# Allegro board ZDRK-36-DE3-A02-20190729.brd (continued)
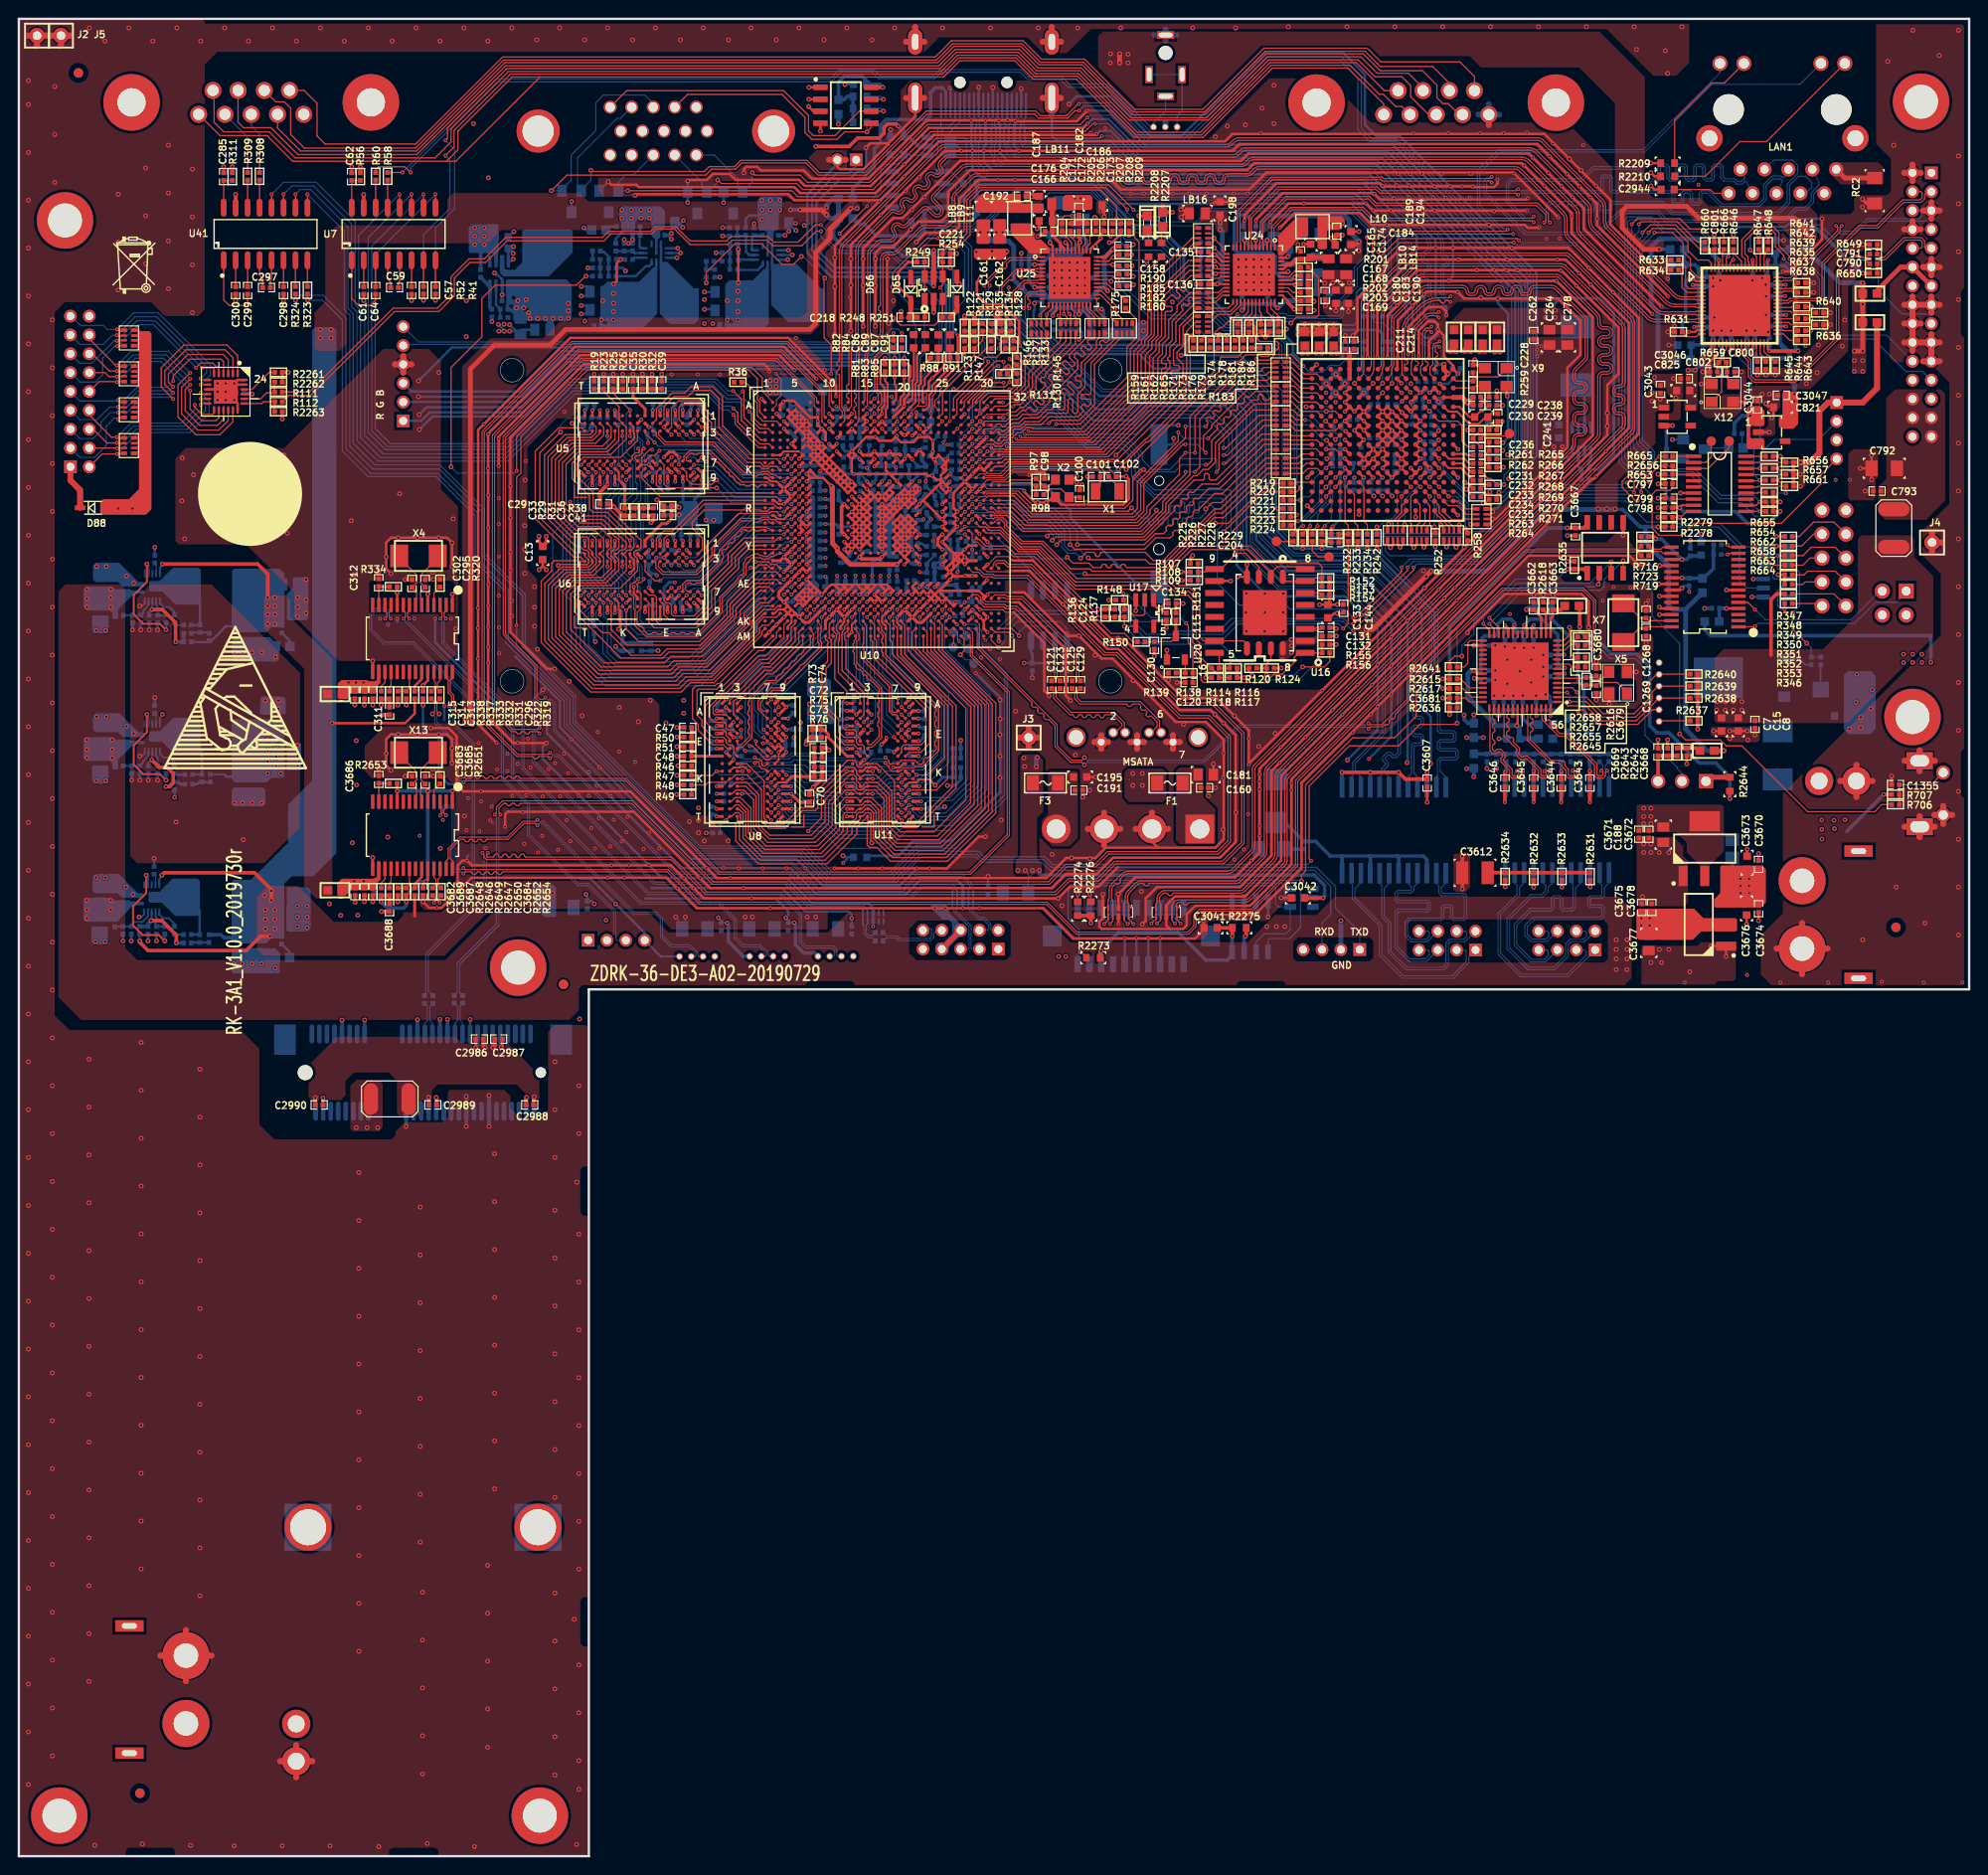
[diagram p0: board, top side]
## Nets (continued)
+2.5VA: C3665.2 C3666.2 LB139.1 R2619.2 R2620.2 R2621.2 R2622.2 R2623.2 R2624.2 R2625.2 R2626.2 R2627.2 R2628.2 R2629.2 R2630.2
+3.3V: C3670.1 C3673.1 C3674.1 C3676.1 LB70.2 LB137.2 R2644.2 U61.3(VIN) U1495.3(VIN)
AVDD33_AC0: C372.1(A) C378.1(A) LB39.2 U10.H20(AVDD33_AC0)
AVDD33_DDRPLL0: C432.1(A) C434.1(A) LB51.2 U10.R12(AVDD_DDRPLL1) U10.W12(AVDD_DDRPLL2)
AVDD33_DDRPLL1: C405.1(A) C424.1(A) LB50.2 U10.AA14(AVDD_DDRPLL3) U10.AA17(AVDD_DDRPLL4)
AVDD33_PLL: C356.1(A) LB34.2 U10.R25(AVDD33_PLL)
AVDD33_RTC: C363.1(A) LB35.2 U10.P25(AVDD33_RTC)
AVDD33_SATA01: C366.1(A) C367.1(A) LB36.2 U10.AA25(AVDD33_SATA1) U10.AB25(AVDD33_SATA0)
AVDD33_SATA23: C355.1(A) C357.1(A) LB33.2 U10.W24(AVDD33_PCIE0) U10.Y24(AVDD33_PCIE1)
AVDD33_USB2: C350.1(A) C359.1(A) LB32.2 U10.AE24(AVDD33_USB2)
AVDD33_USB3: C425.1(A) LB49.2 U10.J14(AVDD33_USB3)
AVDD33_USB32: C415.1(A) LB47.2 U10.J15(AVDD33_USB32)
AVDD33_VDAC: C385.1(A) LB44.2 U10.J18(AVDD33_VDAC)
AVDD33_VDAC_CVBS: C384.1(A) LB41.1 U10.J19(AVDD33_VDAC_CVBS)
AVDD_BAT: BT1.1 C351.1(A) U10.N27(AVDD_BAT)
AVDD_HDMITX: C395.1(A) C406.1(A) LB46.2 U10.M16(AVDD_HDMITX)
AVDD_PLL: C371.1(A) LB40.2 U10.T21(AVDD_PLL)
AVDD_PLL_HDMITX: C397.1(A) LB42.2 U10.M17(AVDD_PLL_HDMITX)
AVDD_SATA01: C370.1(A) C380.1(A) LB43.2 U10.AA21(AVDD_SATA1) U10.AB21(AVDD_SATA0)
AVDD_SATA2: C379.1(A) LB38.2 U10.Y21(AVDD_PCIE1)
AVDD_SATA3: C377.1(A) LB37.2 U10.W21(AVDD_PCIE0)
AVDD_USB3: C418.1(A) LB48.2 U10.M15(AVDD_USB3)
AVDDH_HDMITX: C398.1(A) C399.1(A) LB45.2 U10.J16(AVDDH_HDMITX)
DVDD_CORE: C65.2(B) C67.1(A) C68.1(A) C69.1(A) C387.1(A) C389.1(A) C392.1(A) C393.1(A) C394.1(A) C408.1(A) C409.1(A) C410.1(A) C411.1(A) C412.1(A) C413.1(A) C414.1(A) L5.2 LB37.1 LB38.1 LB40.1 LB42.1 LB43.1 LB46.1 LB48.1 R66.1(A) U9.2(VOUT) U10.M21(DVDD_CORE_1) U10.N19(DVDD_CORE_2) U10.N20(DVDD_CORE_3) U10.N21(DVDD_CORE_4) U10.P18(DVDD_CORE_5) U10.P19(DVDD_CORE_6) U10.P20(DVDD_CORE_19) U10.P21(DVDD_CORE_20) U10.R16(DVDD_CORE_7) U10.R17(DVDD_CORE_8) U10.R18(DVDD_CORE_21) U10.R19(DVDD_CORE_22) U10.R20(DVDD_CORE_0) U10.T16(DVDD_CORE_9) U10.T17(DVDD_CORE_10) U10.T18(DVDD_CORE_23) U10.U16(DVDD_CORE_11) U10.U17(DVDD_CORE_12) U10.V16(DVDD_CORE_13) U10.V17(DVDD_CORE_14) U10.W16(DVDD_CORE_15) U10.W17(DVDD_CORE_16) U10.Y16(DVDD_CORE_17) U10.Y17(DVDD_CORE_18)
DVDD_CPU: C40.2(B) C50.1(A) C51.1(A) C55.1(A) C428.1(A) C435.1(A) C436.1(A) C439.1(A) C441.1(A) C442.1(A) C455.1(A) C456.1(A) C457.1(A) C459.1(A) C463.1(A) C465.1(A) C466.1(A) L4.2 R42.1(A) U4.2(VOUT) U10.B4(DVDD_CPU_1) U10.B5(DVDD_CPU_2) U10.C4(DVDD_CPU_4) U10.C5(DVDD_CPU_5) U10.C6(DVDD_CPU_6) U10.D5(DVDD_CPU_7) U10.D6(DVDD_CPU_8) U10.D7(DVDD_CPU_24) U10.E5(DVDD_CPU_9) U10.E6(DVDD_CPU_10) U10.E7(DVDD_CPU_11) U10.F6(DVDD_CPU_13) U10.F7(DVDD_CPU_14) U10.F8(DVDD_CPU_15) U10.G6(DVDD_CPU_16) U10.G7(DVDD_CPU_17) U10.G8(DVDD_CPU_18) U10.G9(DVDD_CPU_19) U10.H7(DVDD_CPU_20) U10.H8(DVDD_CPU_21) U10.H9(DVDD_CPU_22) U10.H10(DVDD_CPU_25) U10.J7(DVDD_CPU_26) U10.M12(DVDD_CPU_3) U10.M13(DVDD_CPU_12) U10.N12(DVDD_CPU_23) U10.N13(DVDD_CPU_27)
GND: BT1.2 C3.2 C4.2(B) C5.2(B) C7.2(B) C8.2(B) C9.2(B) C11.2(B) C13.2(B) C14.2(B) C15.2(B) C17.2(B) C18.2(B) C20.2(B) C24.1 C25.1 C26.2(B) C29.2(B) C30.2(B) C32.2(B) C33.2(B) C34.2(B) C35.2(B) C37.2(B) C41.2(B) C43.2(B) C44.2(B) C48.2(B) C49.2(B) C50.2(B) C51.2(B) C52.2(B) C53.2(B) C55.2(B) C56.2(B) C57.2 C58.2(B) C60.2(B) C61.2 C62.2 C63.2(B) C66.2(B) C67.2(B) C68.2(B) C69.2(B) C70.2(B) C71.2(B) C73.2(B) C74.2(B) C80.2 C97.1(A) C98.1(A) C100.1(A) C101.1(A) C102.1(A) C115.2(B) C120.2(B) C124.2(B) C130.2(B) C131.2(B) C132.2(B) C133.2(B) C134.2(B) C135.2(B) C136.2(B) C137.2(B) C139.2(B) C140.2(B) C142.2(B) C143.2(B) C144.2(B) C146.2(B) C148.2(B) C151.2(B) C152.2(B) C155.2(B) C156.2(B) C157.2(B) C158.2(B) C160.2 C161.2(B) C162.2(B) C165.2(B) C166.2(B) C167.2(B) C168.2(B) C169.2(B) C171.2(B) C172.2(B) C173.2(B) C174.2(B) C176.2(B) C180.2(B) C181.2 C182.2(B) C183.2(B) C184.2(B) C186.2(B) C187.2(B) C188.2 C189.2(B) C190.2(B) C191.2 C192.2(B) C193.2(B) C194.2(B) C195.2 C196.2(B) C198.2(B) C199.2(B) C204.2 C211.2 C214.2 C218.2 C220.2 C221.2 C222.2 C228.1 C229.2 C230.2 C238.1 C239.1 C241.1 C262.2(B) C264.2(B) C266.1 C267.1 C278.2(B) C279.2(B) C285.2 C295.1 C296.2 C298.2 C300.2 C302.1 C311.2 C312.2 C313.2 C314.2 C315.2 C319.2 C320.2 C321.2 C322.2 C323.2 C324.2 C325.2 C326.2 C327.2 C328.2 C329.2 C330.2 C331.2 C332.2 C333.2 C334.2 C335.2 C336.2 C337.2 C338.2 C339.2 C340.2 C341.2 C342.2 C343.2 C344.2 C345.2 C346.2 C347.2 C348.2 C349.2 C350.2(B) C351.2(B) C353.2(B) C354.2(B) C355.2(B) C356.2(B) C357.2(B) C358.2(B) C359.2(B) C360.2(B) C361.2(B) C362.2(B) C363.2(B) C364.2(B) C365.2(B) C366.2(B) C367.2(B) C368.2(B) C369.2(B) C370.2(B) C371.2(B) C372.2(B) C373.2(B) C374.2(B) C375.2(B) C376.2(B) C377.2(B) C378.2(B) C379.2(B) C380.2(B) C381.2(B) C382.2(B) C383.2(B) C384.2(B) C385.2(B) C386.2(B) C387.2(B) C388.2(B) C389.2(B) C390.2(B) C391.2(B) C392.2(B) C393.2(B) C394.2(B) C395.2(B) C396.2(B) C397.2(B) C398.2(B) C399.2(B) C400.2(B) C401.2(B) C405.2(B) C406.2(B) C407.2(B) C408.2(B) C409.2(B) C410.2(B) C411.2(B) C412.2(B) C413.2(B) C414.2(B) C415.2(B) C416.2(B) C417.2(B) C418.2(B) C419.2(B) C420.2(B) C421.2(B) C422.2(B) C423.2(B) C424.2(B) C425.2(B) C426.2(B) C427.2(B) C428.2(B) C429.2(B) C430.2(B) C431.2(B) C432.2(B) C433.2(B) C434.2(B) C435.2(B) C436.2(B) C437.2(B) C438.2(B) C439.2(B) C441.2(B) C442.2(B) C443.2(B) C444.2(B) C445.2(B) C446.2(B) C447.2(B) C448.2(B) C449.2(B) C450.2(B) C451.2(B) C452.2(B) C453.2(B) C454.2(B) C455.2(B) C456.2(B) C457.2(B) C458.2(B) C459.2(B) C460.2(B) C461.2(B) C462.2(B) C463.2(B) C464.2(B) C465.2(B) C466.2(B) C467.2(B) C468.2(B) C469.2(B) C470.2(B) C471.2(B) C472.2(B) C473.2(B) C474.2(B) C475.2(B) C476.2(B) C477.2(B) C478.2(B) C479.2(B) C480.2(B) C481.2(B) C482.2(B) C483.2(B) C484.2(B) C485.2(B) C486.2(B) C487.2(B) C488.2(B) C489.2(B) C490.2(B) C492.2(B) C493.2(B) C494.2(B) C495.2(B) C496.2(B) C497.2(B) C499.2(B) C500.2(B) C501.2(B) C502.2(B) C503.2(B) C504.2(B) C505.2(B) C634.2(B) C636.2(B) C637.2(B) C638.2(B) C640.2(B) C641.2(B) C642.2(B) C643.2(B) C644.2(B) C645.2(B) C646.2(B) C792.2 C793.2 C797.2 C798.2 C799.2 C800.1 C801.2 C802.1 C803.2 C804.2 C805.2 C806.2 C807.2 C808.2 C809.2 C810.2 C811.2 C812.2 C813.2 C814.2 C815.2 C816.2 C817.2 C818.2 C819.2 C820.2 C821.2 C822.2 C823.2 C824.2 C825.2 C826.2 C827.2 C1268.1 C1269.1 C1319.1 C1355.2 C2318.1 C2378.1 C2879.2 C2880.1 C2906.2 C2907.2 C2944.2 C2986.2(B) C2987.2(B) C2988.2(B) C2989.2(B) C2990.2(B) C2991.1 C3029.2 C3030.2 C3031.2 C3040.2 C3041.1 C3042.1 C3043.2 C3044.2 C3045.2 C3046.2 C3047.2 C3048.2(B) C3049.2(B) C3050.2(B) C3051.2(B) C3052.2(B) C3053.2(B) C3055.2(B) C3056.2(B) C3057.2(B) C3058.2(B) C3059.2(B) C3607.2(B) C3608.2(B) C3612.2 C3643.1 C3644.1 C3645.1 C3646.1 C3647.1 C3648.1 C3649.1 C3650.1 C3651.1 C3652.1 C3653.1 C3654.1 C3655.1 C3656.1 C3657.1 C3658.1 C3659.1 C3660.1 C3661.1 C3662.1 C3663.1 C3664.1 C3665.1 C3666.1 C3667.1 C3668.1 C3669.1 C3670.2 C3671.2 C3672.2 C3673.2 C3674.2 C3675.2 C3676.2 C3677.2 C3678.2 C3679.1 C3680.1 C3681.1 C3682.2 C3683.1 C3684.2 C3685.1 C3686.2 C3687.2 C3688.2 C3689.2 CN3.5 CN3.6 CN3.7 CN3.8 CN3.10 CON1.1(GND#1) CON1.4(GND#4) CON1.7(GND#7) D2.1(A) D23.3(A) D24.1(C1) D25.1(C1) D26.1(C1) D71.C D87.C D89.C D90.A D104.2(B) J2.1 J3.1 J4.1 J5.1 J6.6 J22.5 J23.5 J49.2(P2) J49.5(P5) J49.8(P8) J49.11(P11) J49.17(P17) J49.20(S20) J49.21(S21) J49.22(S22) J49.23(S23) J70.2 J70.3 J94.2 J111.6 J116.3 J123.2 J124.3 J124.4 J125.2 J126.2 J127.18 J128.6(3) J128.7(9) J130.6(3) J130.8(4) J130.10(5) J130.12(6) J134.2 J135.2 J136.4 JE1.2(P2) JE1.5(P5) JE1.8(P8) JE1.11(P11) JE1.15(P15) JE1.16(P16) JE1.18(P18) JE1.19(P19) JE1.20(P20) JE1.21(P21) JU1.4 JU2.4 JU3.4 JU4.4 JU5.2 Q20.2(SOURCE) R4.2(B) R8.2(B) R11.2(B) R13.2(B) R23.2(B) R25.2(B) R29.2(B) R30.2(B) R34.2(B) R37.2(B) R38.2(B) R43.2(B) R47.2(B) R48.2(B) R51.2(B) R59.2(B) R68.2(B) R70.2(B) R73.2(B) R76.2(B) R81.2(B) R83.2(B) R85.2(B) R88.2 R91.2 R107.2(B) R108.2(B) R110.1(A) R118.2(B) R122.2(B) R133.1(A) R134.1(A) R135.1(A) R136.2(B) R139.2(B) R159.1(A) R171.2(B) R183.2(B) R185.2(B) R186.2(B) R202.2(B) R205.2(B) R208.2(B) R222.1 R226.1 R228.1 R233.1 R234.1 R237.1 R238.1 R242.2 R244.1 R252.2 R254.2 R258.2 R261.2 R263.2 R265.1 R266.2 R269.2 R305.2 R320.2 R333.2 R347.2 R348.2 R351.2 R352.2 R370.2(B) R375.2(B) R380.2(B) R381.2(B) R383.2(B) R385.2(B) R387.1(A) R388.2(B) R390.1(A) R391.2(B) R393.2 R394.2 R395.2(B) R396.2(B) R397.1(A) R398.1(A) R399.1(A) R400.1(A) R401.2(B) R402.2(B) R404.2(B) R406.1(A) R411.2(B) R412.1(A) R413.1(A) R482.2(B) R483.2(B) R485.2(B) R631.2 R633.1 R634.1 R635.2 R636.2 R637.2 R638.2 R639.2 R640.2 R641.2 R642.2 R643.2 R644.2 R645.2 R646.1 R647.1 R648.1 R649.1 R2209.1 R2279.2 R2564.2(B) R2566.2(B) R2567.2(B) R2615.1 R2617.2 R2618.2 R2635.1 R2643.1 R2649.2 R2651.2 R2655.1 RC2.2 RN9.5 RN9.6 RN9.7 RN9.8 RN10.5 RN10.6 RN10.7 RN10.8 RN11.5 RN11.6 RN11.7 RN11.8 RN12.5 RN12.6 RN12.7 RN12.8 SW1.1 SW1.3 SW1.4 U1.57(GND/EP) U2.2(PGND) U2.14(AGND) U3.4(PGND) U3.6(AGND) U4.10(GND1) U4.11(GND2) U4.12(GND3) U5.A9(VSS1) U5.B1(VSSQ1) U5.B3(VSS2) U5.B9(VSSQ2) U5.D1(VSSQ3) U5.D8(VSSQ4) U5.E1(VSS3) U5.E2(VSSQ5) U5.E8(VSSQ6) U5.F9(VSSQ7) U5.G1(VSSQ8) U5.G8(VSS4) U5.G9(VSSQ9) U5.J2(VSS5) U5.J8(VSS6) U5.M1(VSS7) U5.M9(VSS8) U5.P1(VSS9) U5.P9(VSS10) U5.T1(VSS11) U5.T9(VSS12) U6.A9(VSS1) U6.B1(VSSQ1) U6.B3(VSS2) U6.B9(VSSQ2) U6.D1(VSSQ3) U6.D8(VSSQ4) U6.E1(VSS3) U6.E2(VSSQ5) U6.E8(VSSQ6) U6.F9(VSSQ7) U6.G1(VSSQ8) U6.G8(VSS4) U6.G9(VSSQ9) U6.J2(VSS5) U6.J8(VSS6) U6.M1(VSS7) U6.M9(VSS8) U6.P1(VSS9) U6.P9(VSS10) U6.T1(VSS11) U6.T9(VSS12) U7.15(GND) U8.A9(VSS1) U8.B1(VSSQ1) U8.B3(VSS2) U8.B9(VSSQ2) U8.D1(VSSQ3) U8.D8(VSSQ4) U8.E1(VSS3) U8.E2(VSSQ5) U8.E8(VSSQ6) U8.F9(VSSQ7) U8.G1(VSSQ8) U8.G8(VSS4) U8.G9(VSSQ9) U8.J2(VSS5) U8.J8(VSS6) U8.M1(VSS7) U8.M9(VSS8) U8.P1(VSS9) U8.P9(VSS10) U8.T1(VSS11) U8.T9(VSS12) U9.10(GND1) U9.11(GND2) U9.12(GND3) U10.A1(VSS_1) U10.A32(VSS_2) U10.AA4(VSS_106) U10.AA12(VSS_107) U10.AA18(AVSS_DDRPLL4) U10.AA19(VSS_15) U10.AA20(AVSS_SATA1_5) U10.AA26(AVSS_SATA1_4) U10.AA30(AVSS_PCIE0_5) U10.AB2(VSS_108) U10.AB3(VSS_109) U10.AB4(VSS_110) U10.AB5(VSS_111) U10.AB20(AVSS_SATA0_1) U10.AB26(AVSS_SATA1_3) U10.AB28(AVSS_PCIE1_2) U10.AB29(AVSS_PCIE1_4) U10.AC4(VSS_112) U10.AC6(VSS_113) U10.AC7(VSS_114) U10.AC25(AVSS_SATA0_3) U10.AC30(AVSS_PCIE1_5) U10.AD5(VSS_115) U10.AD25(AVSS_SATA0_4) U10.AD28(AVSS_SATA1_2) U10.AD29(AVSS_SATA1_1) U10.AE4(VSS_116) U10.AE6(VSS_117) U10.AE21(AVSS_EFUSE) U10.AE25(AVSS_USB2_1) U10.AE30(AVSS_SATA1_6) U10.AF3(VSS_118) U10.AF10(VSS_119) U10.AF13(VSS_120) U10.AF16(VSS_121) U10.AF19(VSS_122) U10.AF21(VSS_123) U10.AF22(VSS_30) U10.AF23(VSS_18) U10.AF24(AVSS_USB2_2) U10.AF28(AVSS_SATA0_5) U10.AF29(AVSS_SATA0_6) U10.AG3(VSS_124) U10.AG4(VSS_125) U10.AG8(VSS_126) U10.AG15(VSS_127) U10.AG16(VSS_128) U10.AG17(VSS_129) U10.AG23(VSS_130) U10.AG24(VSS_131) U10.AG25(VSS_132) U10.AG30(AVSS_SATA0_2) U10.AH4(VSS_133) U10.AH9(VSS_134) U10.AH11(VSS_135) U10.AH13(VSS_136) U10.AH18(VSS_137) U10.AH20(VSS_138) U10.AH22(VSS_139) U10.AH26(VSS_140) U10.AH28(AVSS_USB2_3) U10.AH29(VSS_36) U10.AJ2(VSS_141) U10.AJ4(VSS_142) U10.AJ5(VSS_143) U10.AJ6(VSS_144) U10.AJ8(VSS_145) U10.AJ10(VSS_146) U10.AJ11(VSS_147) U10.AJ12(VSS_148) U10.AJ17(VSS_149) U10.AJ19(VSS_150) U10.AJ20(VSS_151) U10.AJ21(VSS_152) U10.AJ23(VSS_153) U10.AJ29(AVSS_USB2_4) U10.AJ30(VSS_154) U10.AK3(VSS_155) U10.AK6(VSS_156) U10.AK7(VSS_157) U10.AK9(VSS_158) U10.AK13(VSS_159) U10.AK20(VSS_160) U10.AK21(VSS_161) U10.AK22(VSS_162) U10.AK28(AVSS_USB2_6) U10.AK30(AVSS_USB2_7) U10.AL2(VSS_163) U10.AL4(VSS_164) U10.AL9(VSS_165) U10.AL11(VSS_166) U10.AL17(VSS_167) U10.AL19(VSS_168) U10.AL30(AVSS_USB2_5) U10.AM1(VSS_90) U10.AM12(VSS_89) U10.AM32(VSS_104) U10.B3(VSS_3) U10.B6(VSS_38) U10.B30(VSS_5) U10.C3(VSS_4) U10.C7(VSS_16) U10.C8(AVSS_USB3_1) U10.C10(AVSS_USB32_1) U10.C12(AVSS_HDMITX_1) U10.C14(AVSS_HDMITX_2) U10.C16(AVSS_VDAC_1) U10.C18(AVSS_VDAC_2) U10.C20(AVSS_AC0_1) U10.C23(AVSS_AC0_2) U10.C27(VSS_37) U10.C31(VSS_12) U10.D4(VSS_7) U10.D8(AVSS_USB3_2) U10.D10(AVSS_USB32_2) U10.D12(AVSS_HDMITX_3) U10.D14(AVSS_HDMITX_4) U10.D16(AVSS_VDAC_3) U10.D17(AVSS_VDAC_4) U10.D23(VSS_8) U10.D31(VSS_40) U10.E4(VSS_9) U10.E8(VSS_10) U10.E9(AVSS_USB3_3) U10.E11(AVSS_HDMITX_5) U10.E12(AVSS_HDMITX_6) U10.E13(AVSS_HDMITX_7) U10.E15(VSS_11) U10.E16(AVSS_VDAC_5) U10.E18(AVSS_VDAC_CVBS_1) U10.E19(AVSS_AC0_3) U10.E20(AVSS_AC0_4) U10.E21(AVSS_AC0_5) U10.E22(AVSS_AC0_6) U10.F5(VSS_105) U10.F9(VSS_100) U10.F28(VSS_14) U10.F30(VSS_6) U10.G5(VSS_17) U10.G10(VSS_13) U10.G29(VSS_47) U10.H2(VSS_19) U10.H3(VSS_20) U10.H6(VSS_21) U10.H11(VSS_22) U10.H14(AVSS_USB3_4) U10.H15(AVSS_USB32_3) U10.H16(AVSS_HDMITX_9) U10.H17(VSS_39) U10.H18(AVSS_VDAC_6) U10.H19(AVSS_VDAC_CVBS_2) U10.H21(AVSS_AC0_7) U10.H22(VSS_23) U10.J6(VSS_24) U10.J31(VSS_76) U10.K29(VSS_25) U10.K30(VSS_26) U10.L1(VSS_28) U10.L5(VSS_29) U10.L25(VSS_31) U10.L28(AVSS_RTC_5) U10.M3(VSS_34) U10.M4(VSS_35) U10.M14(VSS_42) U10.M18(AVSS_VDAC_7) U10.M20(DVSS_VDAC) U10.M27(AVSS_RTC_1) U10.M28(AVSS_RTC_3) U10.M29(AVSS_RTC_2) U10.M30(VSS_27) U10.N3(VSS_43) U10.N4(VSS_44) U10.N5(VSS_45) U10.N14(VSS_49) U10.N15(AVSS_USB3_5) U10.N16(AVSS_HDMITX_8) U10.N17(AVSS_PLL_HDMITX_1) U10.N18(VSS_50) U10.N28(VSS_33) U10.N29(VSS_32) U10.P2(VSS_54) U10.P4(VSS_63) U10.P7(VSS_56) U10.P13(VSS_57) U10.P14(VSS_58) U10.P15(VSS_59) U10.P16(VSS_60) U10.P17(VSS_61) U10.P26(AVSS_RTC_6) U10.R5(VSS_64) U10.R13(VSS_65) U10.R14(VSS_66) U10.R15(VSS_67) U10.R26(AVSS_PLL_1) U10.T2(VSS_70) U10.T4(VSS_71) U10.T6(VSS_72) U10.T12(AVSS_DDRPLL1) U10.T13(VSS_73) U10.T14(VSS_74) U10.T15(VSS_75) U10.T19(VSS_77) U10.T20(AVSS_PLL_2) U10.T26(VSS_68) U10.T29(VSS_62) U10.U6(VSS_78) U10.U7(VSS_79) U10.U13(VSS_80) U10.U14(VSS_81) U10.U15(VSS_82) U10.U18(VSS_83) U10.U19(VSS_84) U10.U20(VSS_55) U10.U21(VSS_53) U10.U26(VSS_69) U10.V6(VSS_46) U10.V13(VSS_41) U10.V14(VSS_51) U10.V15(VSS_52) U10.V18(VSS_48) U10.V19(VSS_88) U10.V20(VSS_87) U10.V21(VSS_85) U10.V26(VSS_86) U10.V29(VSS_91) U10.W13(VSS_92) U10.W14(VSS_93) U10.W15(VSS_94) U10.W18(VSS_95) U10.W19(VSS_96) U10.W20(AVSS_PCIE0_3) U10.W25(AVSS_PCIE0_6) U10.W30(AVSS_PCIE0_1) U10.Y5(VSS_97) U10.Y7(VSS_98) U10.Y12(AVSS_DDRPLL2) U10.Y13(VSS_99) U10.Y14(AVSS_DDRPLL3) U10.Y15(VSS_101) U10.Y18(VSS_102) U10.Y19(VSS_103) U10.Y20(AVSS_PCIE1_3) U10.Y25(AVSS_PCIE1_1) U10.Y28(AVSS_PCIE0_2) U10.Y29(AVSS_PCIE0_4) U11.A9(VSS1) U11.B1(VSSQ1) U11.B3(VSS2) U11.B9(VSSQ2) U11.D1(VSSQ3) U11.D8(VSSQ4) U11.E1(VSS3) U11.E2(VSSQ5) U11.E8(VSSQ6) U11.F9(VSSQ7) U11.G1(VSSQ8) U11.G8(VSS4) U11.G9(VSSQ9) U11.J2(VSS5) U11.J8(VSS6) U11.M1(VSS7) U11.M9(VSS8) U11.P1(VSS9) U11.P9(VSS10) U11.T1(VSS11) U11.T9(VSS12) U12.4(GND) U13.4(GND_P4) U13.9(GND_P9) U13.15(GND_P15) U13.18(GND_P18) U13.21(GND_P21) U13.26(GND_P26) U13.27(GND_P27) U13.29(GND_P29) U13.34(GND_P34) U13.35(GND_P35) U13.37(GND_P37) U13.40(GND_P40) U13.43(GND_P43) U13.50(GND_P50) U16.10(GND) U17.1(O\E\) U17.3(GND) U18.4(VSS) U18.9(VSS_EPAD) U20.1(GND) U24.43(CKXTAL2) U24.47(GND1) U24.49(GND2) U25.43(CKXTAL2) U25.47(GND1) U25.49(GND2) U27.1(A0) U27.2(A1) U27.3(A2) U27.4(VSS) U32.A1(GND#A1) U32.A10(GND#A10) U32.A16(GND#A16) U32.B10(GND#B10) U32.C5(GND#C5) U32.C15(GND#C15) U32.D5(GND#D5) U32.E1(GND#E1) U32.E5(GND#E5) U32.E6(GND#E6) U32.E7(GND#E7) U32.E8(GND#E8) U32.E9(GND#E9) U32.E10(GND#E10) U32.F6(GND#F6) U32.F7(GND#F7) U32.F8(GND#F8) U32.F9(GND#F9) U32.F10(GND#F10) U32.F11(GND#F11) U32.G6(GND#G6) U32.G7(GND#G7) U32.G8(GND#G8) U32.G9(GND#G9) U32.G10(GND#G10) U32.G11(GND#G11) U32.H6(GND#H6) U32.H7(GND#H7) U32.H8(GND#H8) U32.H9(GND#H9) U32.H10(GND#H10) U32.H11(GND#H11) U32.J6(GND#J6) U32.J8(GND#J8) U32.J9(GND#J9) U32.J10(GND#J10) U32.J11(GND#J11) U32.J16(GND#J16) U32.K10(GND#K10) U32.K11(GND#K11) U32.L10(GND#L10) U32.L11(GND#L11) U32.M1(GND#M1) U32.M11(GND#M11) U32.M12(GND#M12) U32.M13(GND#M13) U32.M14(GND#M14) U32.M15(GND#M15) U32.M16(GND#M16) U32.T1(GND#T1) U32.T6(GND#T6) U32.T12(GND#T12) U32.T16(GND#T16) U33.2(GND) U38.4(PGND) U38.6(AGND) U41.15(GND) U43.15(GND) U44.7(GND) U44.18(GND2) U44.21(GND1) U44.22(GP0) U44.23(GP1) U44.25(AGND) U44.26(PLL_TEST) U45.2(GND) U46.1(O\E\) U46.3(GND) U58.1(A0) U58.2(A1) U58.3(A2) U58.4(VSS) U61.1(GND) U62.9(GND1) U62.10(GND2) U63.9(GND1) U63.10(GND2) U66.65(EPAD) U75.2(GND) U103.9(VSS) U103.18(A0) U103.23(A1) U103.24(A2) U103.25(PAD) U105.9(GND1) U105.10(GND2) U106.9(GND1) U106.10(GND2) U107.1(A0) U107.2(A1) U107.3(A2) U107.4(VSS) U108.2(GND) U109.9(GND1) U109.10(GND2) U110.9(GND1) U110.10(GND2) U126.2(PGND) U126.14(AGND) U1489.2(GND) U1490.2(GND) U1492.7(VSS) U1493.2(PGND) U1493.14(AGND) U1494.5(GND) U1495.1(GND) U1496.15(GND) X2.2(GND1) X2.4(GND2) X5.2 X5.4 X9.2 X9.4 X12.2 X12.4
GND_EARTH: J115.10(CHS) RC2.1
VBUS_DET: JP1.2 U1.14(VBUS_DET)
VCC33: U46.5(VCC)
VCC33_P: JE1.12(P12) JE1.13(P13) LB126.2
VCC_5V_SATA1: C191.1 C195.1 F3.2 J70.4
VCC_12V_SATA1: C160.1 C181.1 F1.2 J70.1
VCC_BACKLIGHT: C792.1 C793.1 F39.2 JE1.26(P26) JE1.27(P27) JE1.28(P28) JE1.29(P29)
VDD12A: C1319.2 C3647.2 C3648.2 C3649.2 C3650.2 LB133.2 U1.45(VDD12A#45) U1.48(VDD12A#48) U1.53(VDD12A#53) U1.56(VDD12A#56)
VDD12CORE: C3655.2 C3656.2 C3657.2 C3658.2 C3659.2 C3660.2 C3664.2 LB135.2 U1.8(VDD12CORE#8) U1.11(VDD12CORE#11) U1.20(VDD12CORE#20) U1.23(VDD12CORE#23) U1.30(VDD12CORE#30) U1.36(VDD12CORE#36) U1.49(VDD12BIAS)
VDD12PLL: C3661.2 LB138.1 U1.50(VDD12PLL)
VDD12USBPLL: C3662.2 LB136.2 U1.17(VDD12USBPLL)
VDD33A: C3663.2 LB137.1 U1.15(VDD33A)
VDDVARIO: C3651.2 C3652.2 C3653.2 C3654.2 C3667.2 LB134.2 R2636.2 R2637.2 R2638.2 R2639.2 R2640.2 U1.7(VDDVARIO#7) U1.19(VDDVARIO#19) U1.24(VDDVARIO#24) U1.37(VDDVARIO#37) U1494.8(VCC)
AC0_LINEIN_L: C89.2(B)
AC0_LINEIN_R: C86.2(B)
AC0_LINEOUT_L: C87.2(B)
AC0_LINEOUT_R: C91.2(B)
AC0_MICBIAS1: C391.1(A) U10.D19(AC0_MICBIAS1)
AC0_MICBIAS2: C388.1(A) U10.C19(AC0_MICBIAS2)
AC0_VREF: C368.1(A) C374.1(A) U10.D21(AC0_VREF)
AUX+: C791.1 U66.26(AUXP)
AUX-: C790.2 U66.25(AUXN)
BACK1: R655.2 U1492.20(PD3)
BACK2: R656.2 U1492.19(PD2)
BACK3: R657.2 U1492.17(PC7)
BACK4: R658.2 U1492.14(PC4)
BOOT_SEL0: R386.2(B) R387.2(B) U10.J27(GPIO8_7/BOOT_SEL0/MII0_TXER)
BOOT_SEL1: R159.2(B) R161.2(B) R162.2(B) U10.J32(GPIO14_5/EPHY0_CLK/BOOT_SEL1)
BOOTROM_SEL: R176.2 R179.2(B) R183.1(A) U10.L27(GPIO11_6/MDCK/BOOTROM_SEL)
CORE_FB: R66.2(B) R67.2(B) R70.1(A) R71.1(A)
CPU_FB: R42.2(B) R43.1(A) R44.2(B) R53.1(A)
CVBS_OUT: J135.1 R396.1(A) U10.D18(CVBS_OUT)
DDC_SCL_A: J49.15(P15) R1121.2 U58.6(SCL) U75.1(IO_1)
DDC_SCL_B: J130.17(19) R2276.2 U107.6(SCL) U108.1(IO_1)
DDC_SDA_A: J49.16(P16) R1120.2 U58.5(SDA) U75.3(IO_2)
DDC_SDA_B: J130.19(20) R2274.2 U107.5(SDA) U108.3(IO_2)
DDC_VGA_SCL: CN3.15 R160.2 U27.6(SCL)
DDC_VGA_SDA: CN3.12 R2212.2 U27.5(SDA)
DDR0_A0: U5.N3(A0) U6.N3(A0) U10.Y6(DDR0_A0)
DDR0_A1: U5.P7(A1) U6.P7(A1) U10.AC5(DDR0_A1)
DDR0_A2: U5.P3(A2) U6.P3(A2) U10.AJ1(DDR0_A2)
DDR0_A3: U5.N2(A3) U6.N2(A3) U10.AH2(DDR0_A3)
DDR0_A4: U5.P8(A4) U6.P8(A4) U10.AB6(DDR0_A4)
DDR0_A5: U5.P2(A5) U6.P2(A5) U10.AH3(DDR0_A5)
DDR0_A6: U5.R8(A6) U6.R8(A6) U10.AD4(DDR0_A6)
DDR0_A7: U5.R2(A7) U6.R2(A7) U10.AJ3(DDR0_A7)
DDR0_A8: U5.T8(A8) U6.T8(A8) U10.AE5(DDR0_A8)
DDR0_A9: U5.R3(A9) U6.R3(A9) U10.AK2(DDR0_A9)
DDR0_A10: U5.L7(A10/AP) U6.L7(A10/AP) U10.Y4(DDR0_A10)
DDR0_A11: U5.R7(A11) U6.R7(A11) U10.AD6(DDR0_A11)
DDR0_A12: U5.N7(A12/BC~) U6.N7(A12/BC~) U10.AA6(DDR0_A12)
DDR0_A13: U5.T3(A13) U6.T3(A13) U10.AL1(DDR0_A13)
DDR0_A14: U5.T7(A14) U6.T7(A14) U10.AE2(DDR0_A14)
DDR0_A15: U5.M7(NC5) U6.M7(NC5) U10.AA5(DDR0_A15)
DDR0_BA0: U5.M2(BA0) U6.M2(BA0) U10.AG1(DDR0_BA0)
DDR0_BA1: U5.N8(BA1) U6.N8(BA1) U10.AE3(DDR0_BA1)
DDR0_BA2: U5.M3(BA2) U6.M3(BA2) U10.AG2(DDR0_BA2)
DDR0_CAS_N: U5.K3(C\A\S\) U6.K3(C\A\S\) U10.AC3(DDR0_CAS_N)
DDR0_CKE: U5.K9(CKE) U6.K9(CKE) U10.AD3(DDR0_CKE)
DDR0_CLK0_N: R410.2(B) U5.K7(C\K\) U6.K7(C\K\) U10.AA3(DDR0_CLK0_N)
DDR0_CLK0_P: R410.1(A) U5.J7(CK) U6.J7(CK) U10.AA2(DDR0_CLK0_P)
DDR0_CS_N: R19.2(B) R23.1(A) U5.L2(C\S\) U6.L2(C\S\) U10.AF1(DDR0_CS)
DDR0_DM0: U5.E7(LDM) U10.L4(DDR0_DM0)
DDR0_DM1: U5.D3(UDM) U10.J5(DDR0_DM1)
DDR0_DM2: U6.E7(LDM) U10.V5(DDR0_DM2)
DDR0_DM3: U6.D3(UDM) U10.R6(DDR0_DM3)
DDR0_DQ0: U5.E3(DQ0) U10.J2(DDR0_DQ0)
DDR0_DQ1: U5.F7(DQ1) U10.P5(DDR0_DQ1)
DDR0_DQ2: U5.F2(DQ2) U10.J3(DDR0_DQ2)
DDR0_DQ3: U5.F8(DQ3) U10.N2(DDR0_DQ3)
DDR0_DQ4: U5.H3(DQ4) U10.K5(DDR0_DQ4)
DDR0_DQ5: U5.H8(DQ5) U10.P3(DDR0_DQ5)
DDR0_DQ6: U5.G2(DQ6) U10.H1(DDR0_DQ6)
DDR0_DQ7: U5.H7(DQ7) U10.K6(DDR0_DQ7)
DDR0_DQ8: U5.D7(DQ8) U10.M6(DDR0_DQ8)
DDR0_DQ9: U5.C3(DQ9) U10.J4(DDR0_DQ9)
DDR0_DQ10: U5.C8(DQ10) U10.N6(DDR0_DQ10)
DDR0_DQ11: U5.C2(DQ11) U10.K3(DDR0_DQ11)
DDR0_DQ12: U5.A7(DQ12) U10.L6(DDR0_DQ12)
DDR0_DQ13: U5.A2(DQ13) U10.H5(DDR0_DQ13)
DDR0_DQ14: U5.B8(DQ14) U10.M5(DDR0_DQ14)
DDR0_DQ15: U5.A3(DQ15) U10.H4(DDR0_DQ15)
DDR0_DQ16: U6.E3(DQ0) U10.T5(DDR0_DQ16)
DDR0_DQ17: U6.F7(DQ1) U10.W2(DDR0_DQ17)
DDR0_DQ18: U6.F2(DQ2) U10.R3(DDR0_DQ18)
DDR0_DQ19: U6.F8(DQ3) U10.W3(DDR0_DQ19)
DDR0_DQ20: U6.H3(DQ4) U10.U5(DDR0_DQ20)
DDR0_DQ21: U6.H8(DQ5) U10.Y3(DDR0_DQ21)
DDR0_DQ22: U6.G2(DQ6) U10.P1(DDR0_DQ22)
DDR0_DQ23: U6.H7(DQ7) U10.Y1(DDR0_DQ23)
DDR0_DQ24: U6.D7(DQ8) U10.U4(DDR0_DQ24)
DDR0_DQ25: U6.C3(DQ9) U10.R4(DDR0_DQ25)
DDR0_DQ26: U6.C8(DQ10) U10.V4(DDR0_DQ26)
DDR0_DQ27: U6.C2(DQ11) U10.P6(DDR0_DQ27)
DDR0_DQ28: U6.A7(DQ12) U10.W5(DDR0_DQ28)
DDR0_DQ29: U6.A2(DQ13) U10.R2(DDR0_DQ29)
DDR0_DQ30: U6.B8(DQ14) U10.W6(DDR0_DQ30)
DDR0_DQ31: U6.A3(DQ15) U10.T3(DDR0_DQ31)
DDR0_DQS0_N: U5.G3(L\D\Q\S\) U10.L2(DDR0_DQS0_N)
DDR0_DQS0_P: U5.F3(LDQS) U10.L3(DDR0_DQS0_P)
DDR0_DQS1_N: U5.B7(U\D\Q\S\) U10.M1(DDR0_DQS1_N)
DDR0_DQS1_P: U5.C7(UDQS) U10.M2(DDR0_DQS1_P)
DDR0_DQS2_N: U6.G3(L\D\Q\S\) U10.U2(DDR0_DQS2_N)
DDR0_DQS2_P: U6.F3(LDQS) U10.U3(DDR0_DQS2_P)
DDR0_DQS3_N: U6.B7(U\D\Q\S\) U10.V1(DDR0_DQS3_N)
DDR0_DQS3_P: U6.C7(UDQS) U10.V2(DDR0_DQS3_P)
DDR0_ODT: R25.1(A) R26.2(B) U5.K1(ODT) U6.K1(ODT) U10.AF4(DDR0_ODT)
DDR0_RAS_N: U5.J3(R\A\S\) U6.J3(R\A\S\) U10.AF2(DDR0_RAS_N)
DDR0_RESET_N: C505.1(A) R414.2(B) U5.T2(R\E\S\E\T\) U6.T2(R\E\S\E\T\) U10.AF5(DDR0_RESET_N)
DDR0_WE_N: U5.L3(W\E\) U6.L3(W\E\) U10.AC2(DDR0_WE_N)
DDR0_ZQ: R404.1(A) U10.M7(DDR0_ZQ)
DDR1_A0: U8.N3(A0) U10.AG20(DDR1_A0) U11.N3(A0)
DDR1_A1: U8.P7(A1) U10.AJ22(DDR1_A1) U11.P7(A1)
DDR1_A2: U8.P3(A2) U10.AL23(DDR1_A2) U11.P3(A2)
DDR1_A3: U8.N2(A3) U10.AM22(DDR1_A3) U11.N2(A3)
DDR1_A4: U8.P8(A4) U10.AG22(DDR1_A4) U11.P8(A4)
DDR1_A5: U8.P2(A5) U10.AL22(DDR1_A5) U11.P2(A5)
DDR1_A6: U8.R8(A6) U10.AH23(DDR1_A6) U11.R8(A6)
DDR1_A7: U8.R2(A7) U10.AK23(DDR1_A7) U11.R2(A7)
DDR1_A8: U8.T8(A8) U10.AJ24(DDR1_A8) U11.T8(A8)
DDR1_A9: U8.R3(A9) U10.AM24(DDR1_A9) U11.R3(A9)
DDR1_A10: U8.L7(A10/AP) U10.AH19(DDR1_A10) U11.L7(A10/AP)
DDR1_A11: U8.R7(A11) U10.AH24(DDR1_A11) U11.R7(A11)
DDR1_A12: U8.N7(A12/BC~) U10.AH21(DDR1_A12) U11.N7(A12/BC~)
DDR1_A13: U8.T3(A13) U10.AK24(DDR1_A13) U11.T3(A13)
DDR1_A14: U8.T7(A14) U10.AM19(DDR1_A14) U11.T7(A14)
DDR1_A15: U8.M7(NC5) U10.AG21(DDR1_A15) U11.M7(NC5)
DDR1_BA0: U8.M2(BA0) U10.AL21(DDR1_BA0) U11.M2(BA0)
DDR1_BA1: U8.N8(BA1) U10.AK18(DDR1_BA1) U11.N8(BA1)
DDR1_BA2: U8.M3(BA2) U10.AM21(DDR1_BA2) U11.M3(BA2)
DDR1_CAS_N: U8.K3(C\A\S\) U10.AJ18(DDR1_CAS_N) U11.K3(C\A\S\)
DDR1_CKE: U8.K9(CKE) U10.AK17(DDR1_CKE) U11.K9(CKE)
DDR1_CLK0_N: R405.2(B) U8.K7(C\K\) U10.AK16(DDR1_CLK0_N) U11.K7(C\K\)
DDR1_CLK0_P: R405.1(A) U8.J7(CK) U10.AL16(DDR1_CLK0_P) U11.J7(CK)
DDR1_CS_N: R48.1(A) R49.2(B) U8.L2(C\S\) U10.AL20(DDR1_CS) U11.L2(C\S\)
DDR1_DM0: U8.E7(LDM) U10.AG10(DDR1_DM0)
DDR1_DM1: U8.D3(UDM) U10.AJ7(DDR1_DM1)
DDR1_DM2: U10.AJ15(DDR1_DM2) U11.E7(LDM)
DDR1_DM3: U10.AG14(DDR1_DM3) U11.D3(UDM)
DDR1_DQ0: U8.E3(DQ0) U10.AM4(DDR1_DQ0)
DDR1_DQ1: U8.F7(DQ1) U10.AG9(DDR1_DQ1)
DDR1_DQ2: U8.F2(DQ2) U10.AK4(DDR1_DQ2)
DDR1_DQ3: U8.F8(DQ3) U10.AJ9(DDR1_DQ3)
DDR1_DQ4: U8.H3(DQ4) U10.AL3(DDR1_DQ4)
DDR1_DQ5: U8.H8(DQ5) U10.AH7(DDR1_DQ5)
DDR1_DQ6: U8.G2(DQ6) U10.AM2(DDR1_DQ6)
DDR1_DQ7: U8.H7(DQ7) U10.AH8(DDR1_DQ7)
DDR1_DQ8: U8.D7(DQ8) U10.AH10(DDR1_DQ8)
DDR1_DQ9: U8.C3(DQ9) U10.AL6(DDR1_DQ9)
DDR1_DQ10: U8.C8(DQ10) U10.AG11(DDR1_DQ10)
DDR1_DQ11: U8.C2(DQ11) U10.AK5(DDR1_DQ11)
DDR1_DQ12: U8.A7(DQ12) U10.AG12(DDR1_DQ12)
DDR1_DQ13: U8.A2(DQ13) U10.AL5(DDR1_DQ13)
DDR1_DQ14: U8.B8(DQ14) U10.AH12(DDR1_DQ14)
DDR1_DQ15: U8.A3(DQ15) U10.AM6(DDR1_DQ15)
DDR1_DQ16: U10.AJ13(DDR1_DQ16) U11.E3(DQ0)
DDR1_DQ17: U10.AH14(DDR1_DQ17) U11.F7(DQ1)
DDR1_DQ18: U10.AL10(DDR1_DQ18) U11.F2(DQ2)
DDR1_DQ19: U10.AH15(DDR1_DQ19) U11.F8(DQ3)
DDR1_DQ20: U10.AK10(DDR1_DQ20) U11.H3(DQ4)
DDR1_DQ21: U10.AK15(DDR1_DQ21) U11.H8(DQ5)
DDR1_DQ22: U10.AM9(DDR1_DQ22) U11.G2(DQ6)
DDR1_DQ23: U10.AM15(DDR1_DQ23) U11.H7(DQ7)
DDR1_DQ24: U10.AJ16(DDR1_DQ24) U11.D7(DQ8)
DDR1_DQ25: U10.AG13(DDR1_DQ25) U11.C3(DQ9)
DDR1_DQ26: U10.AH16(DDR1_DQ26) U11.C8(DQ10)
DDR1_DQ27: U10.AK12(DDR1_DQ27) U11.C2(DQ11)
DDR1_DQ28: U10.AH17(DDR1_DQ28) U11.A7(DQ12)
DDR1_DQ29: U10.AK11(DDR1_DQ29) U11.A2(DQ13)
DDR1_DQ30: U10.AG18(DDR1_DQ30) U11.B8(DQ14)
DDR1_DQ31: U10.AL12(DDR1_DQ31) U11.A3(DQ15)
DDR1_DQS0_N: U8.G3(L\D\Q\S\) U10.AL7(DDR1_DQS0_N)
DDR1_DQS0_P: U8.F3(LDQS) U10.AM7(DDR1_DQS0_P)
DDR1_DQS1_N: U8.B7(U\D\Q\S\) U10.AK8(DDR1_DQS1_N)
DDR1_DQS1_P: U8.C7(UDQS) U10.AL8(DDR1_DQS1_P)
DDR1_DQS2_N: U10.AL13(DDR1_DQS2_N) U11.G3(L\D\Q\S\)
DDR1_DQS2_P: U10.AM13(DDR1_DQS2_P) U11.F3(LDQS)